# Altium PCB PCB5.PcbDoc
Units mm, origin at the board's own origin, x right, y up, seen from the top; angles counter-clockwise.
Board outline 116.2 x 53.09 mm, 2 copper layers (Top Layer, Bottom Layer); 99 components, 59 nets, 316 pads, 394 vias.
Unrouted connection lines stored in the file: 1.
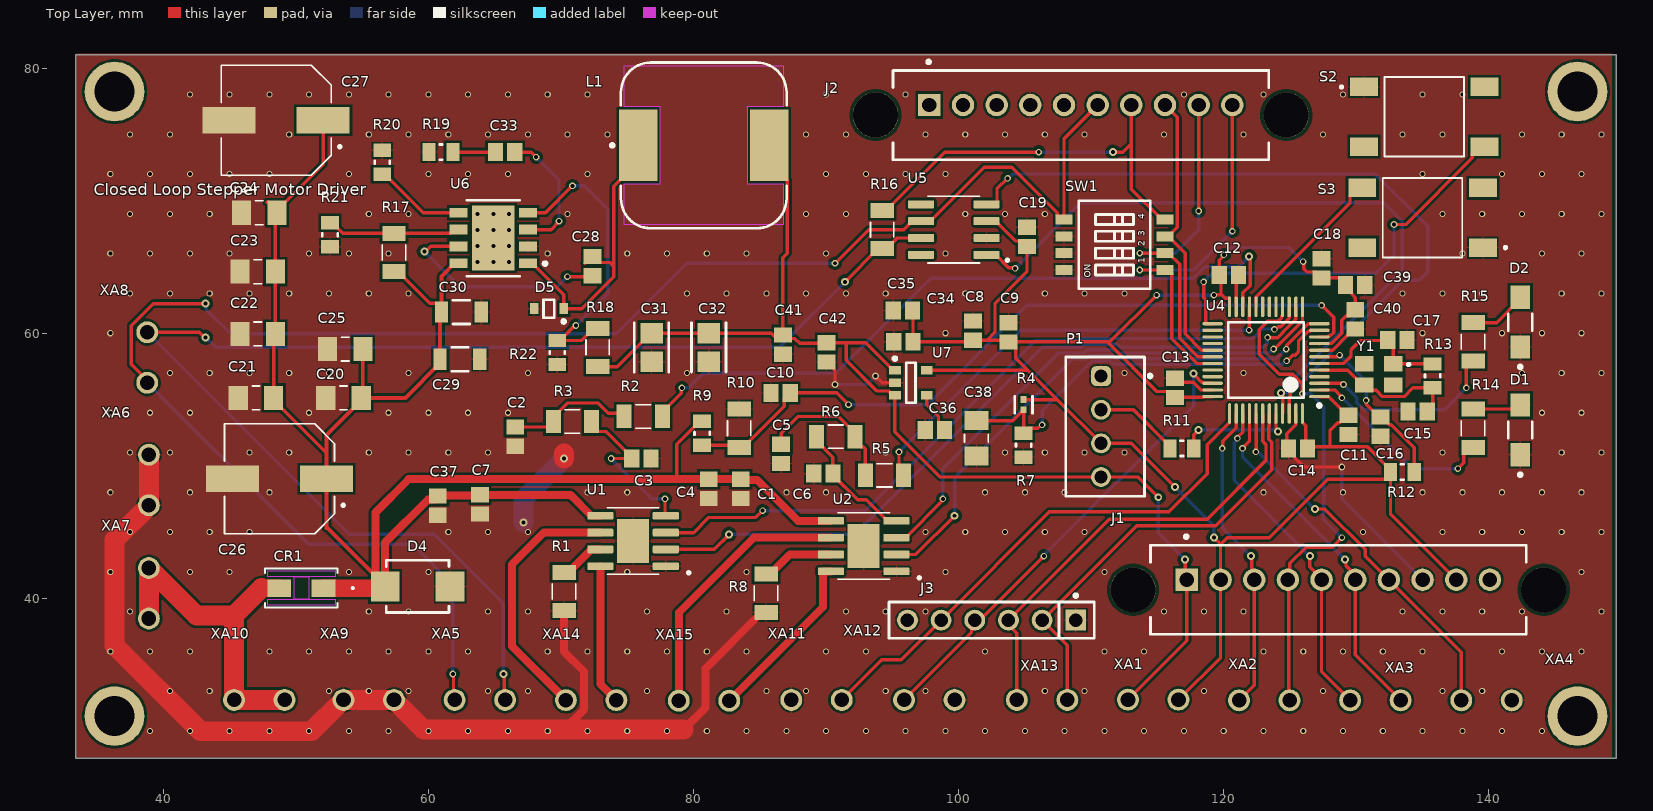
[diagram p0: Top Layer view]
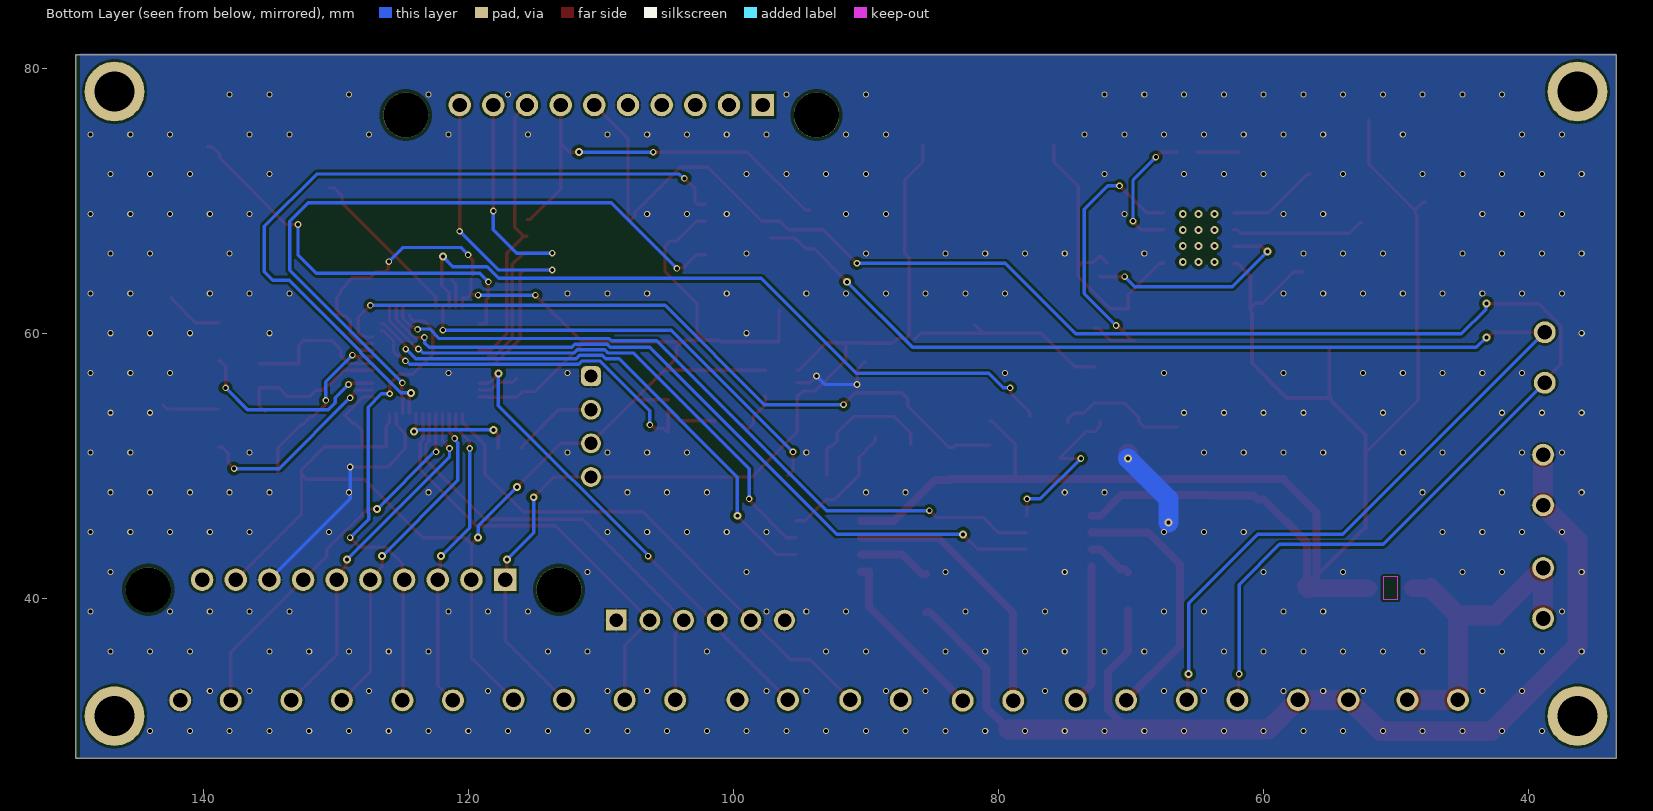
[diagram p1: Bottom Layer view, seen from below]

## Layer stack, top to bottom
Top Solder: solder mask 0.0102, Solder Resist, Dk 3.5
Top Layer: signal copper 0.0356
Dielectric 1: dielectric 0.32, FR-4, Dk 4.8
Bottom Layer: signal copper 0.0356
Bottom Solder: solder mask 0.0102, Solder Resist, Dk 3.5

## Board outline
33.401,27.94 33.401,81.026 149.606,81.026 149.606,27.94

## Design rules (kind name [scope] priority, off if disabled: settings)
BoardOutlineClearance [All] p1: gap=0.2 ignorepadtopadclearanceinfootprint=FALSE
Clearance [All] p1: gap=0.254 ignorepadtopadclearanceinfootprint=FALSE except(0.15: SMDPad-SMDPad; 0.17: Arc-Arc Arc-Track Arc-SMDPad Track-Track Track-SMDPad; 0.18: Arc-Fill Arc-Poly Arc-Region Track-Fill Track-Poly Track-Region SMDPad-Fill SMDPad-Poly SMDPad-Region THPad-Fill THPad-Poly THPad-Region Fill-Fill Fill-Poly Fill-Region Poly-Poly Poly-Region Region-Region; 0.25: Arc-Hole Track-Hole SMDPad-Hole THPad-Hole Via-Hole Fill-Hole Poly-Hole Region-Hole Text-Hole)
ComponentClearance [All] p1: gap=0.127 collisioncheckmode=3 verticalgap=0.127 showdistances=TRUE
DiffPairsRouting [All] p1: maxlimit=0.254 minlimit=0.127 mostfreqgap=0.127 toplayer_minwidth=0.127 toplayer_maxwidth=25.4 toplayer_prefwidth=0.127 bottomlayer_minwidth=0.127 bottomlayer_maxwidth=25.4 bottomlayer_prefwidth=0.127 maxuncoupledlength=12.7
Height [All] p1: minheight=0 maxheight=1816.048 prefheight=12.7
HoleSize [All] p1: absolutevalues=TRUE maxlimit=6.3 minlimit=0.3 maxpercent=80.000 minpercent=20.000
HoleToHoleClearance [All] p1: gap=0.25 allowstackedmicrovias=FALSE
MinimumAnnularRing [All] p1: minimumring=0.075
MinimumSolderMaskSliver [All] p1: minsoldermaskwidth=0.12
PlaneClearance [All] p1: clearance=0.127
PlaneConnect PlaneConnectPowerPads [InPadClass('PowerPads')] p1: planeconnectstyle=Direct reliefexpansion=0.508 reliefentries=4 reliefconductorwidth=0.254 reliefairgap=0.254
PlaneConnect [All] p2: pad.planeconnectstyle=Relief pad.reliefexpansion=0.3 pad.reliefentries=4 pad.reliefconductorwidth=0.127 pad.reliefairgap=0.127 via.planeconnectstyle=Direct via.reliefexpansion=0.3 via.reliefentries=4 via.reliefconductorwidth=0.127 via.reliefairgap=0.127
PolygonConnect PolygonConnectPowerPads [All vs (InPadClass('PowerPads'))] p1: connectstyle=Direct reliefconductorwidth=0.254 reliefentries=4 polygonreliefangle="90 Angle" airgapwidth=0.254
PolygonConnect [All] p2: thpad.connectstyle=Relief thpad.reliefconductorwidth=0.127 thpad.reliefentries=4 thpad.polygonreliefangle="90 Angle" thpad.airgapwidth=0.127 smdpad.connectstyle=Relief smdpad.reliefconductorwidth=0.127 smdpad.reliefentries=4 smdpad.polygonreliefangle="90 Angle" smdpad.airgapwidth=0.127 via.connectstyle=Direct via.reliefconductorwidth=0.127 via.reliefentries=4 via.polygonreliefangle="90 Angle" via.airgapwidth=0.127
RoutingVias [All] p1: holewidth=0.3 width=0.6 viastyle="Through Hole" minholewidth=0.3 minwidth=0.6 maxholewidth=0.6 maxwidth=6.6
SilkToSilkClearance [All] p1: silktosilkclearance=0.1
SilkToSolderMaskClearance [IsPad] p1: minsilkscreentomaskgap=0.1 clearancetoexposedcopper=TRUE
SolderMaskExpansion [All] p1: expansion=0.075 istentingtop=FALSE
Width [All] p1: maxlimit=1.5 minlimit=0.254 preferedwidth=0.6
20 further rules are at their usual default settings.

## Components (designator, comment, footprint, x,y, rotation, side; value= is the part's Value field where it differs from the comment)
C1 "0.1uF" CAPC2013X94X50LL20T25 83.566,48.26 r90 top value=0.1u
C2 "0.1uF" CAPC2013X94X50LL20T25 66.548,52.197 r90 top value=0.1u
C3 "0.1uF" CAPC2013X94X50LL20T25 76.073,50.546 r180 top value=0.1u
C4 "10uF" CAPC2013X94X50LL20T25 81.153,48.26 r90 top value=0.1u
C5 "0.1uF" CAPC2013X94X50LL20T25 86.614,50.89 r90 top value=0.1u
C6 "0.1uF" CAPC2013X94X50LL20T25 89.789,49.403 r0 top value=0.1u
C7 "0.1uF" CAPC2013X94X50LL20T25 63.881,47.08 r90 top value=0.1u
C8 "10uF" CAPC2013X94X50LL20T25 101.092,60.198 r270 top value=0.1u
C9 "0.1uF" CAPC2013X94X50LL20T25 103.759,60.071 r270 top value=0.1u
C10 "0.1uF" CAPC2013X94X50LL20T25 86.577,55.499 r0 top value=0.1u
C11 "10uF" CAPC2013X94X50LL20T25 129.413,53.086 r90 top value=0.1u
C12 "0.1uF" CAPC2013X94X50LL20T25 120.396,64.389 r180 top value=0.1u
C13 "0.1uF" CAPC2013X94X50LL20T25 116.332,55.88 r270 top value=0.1u
C14 "0.1uF" CAPC2013X94X50LL20T25 125.603,51.308 r0 top value=0.1u
C15 "08055A200JAT2A" CAPC2013X94X50LL20T25 134.62,54.102 r0 top
C16 "0.1uF" CAPC2013X94X50LL20T25 131.826,52.959 r90 top value=0.1u
C17 "08055A200JAT2A" CAPC2013X94X50LL20T25 133.096,59.498 r180 top
C18 "0.1uF" CAPC2013X94X50LL20T25 127.381,64.897 r270 top value=0.1u
C19 "0.1uF" CAPC2013X94X50LL20T25 105.156,67.273 r270 top value=0.1u
C20 "10uF/50V" CAPC3216X190N 53.594,55.118 r180 top
C21 "10uF/50V" CAPC3216X190N 46.99,55.118 r180 top
C22 "10uF/50V" CAPC3216X190N 47.117,59.944 r180 top locked
C23 "10uF/50V" CAPC3216X190N 47.117,64.643 r180 top
C24 "10uF/50V" CAPC3216X190N 47.244,69.088 r180 top
C25 "10uF/50V" CAPC3216X190N 53.721,58.801 r180 top
C26 "220uF/25V" CAP_EEEFK1V151AL 48.768,49.022 r180 top value=150uF/35V
C27 "220uF/25V" CAP_EEEFK1V151AL 48.514,76.073 r180 top value=150uF/35V
C28 "0.1uF" CAPC2013X94X50LL20T25 72.39,65.061 r270 top value=0.1u
C29 "12061Z475KAT2A" FP-1206-L_3_2_0_2-W_1_6_0-MFG 62.381,58.039 r180 top
C30 "12061Z475KAT2A" FP-1206-L_3_2_0_2-W_1_6_0-MFG 62.484,61.595 r180 top
C31 "C3216X6S0J476M160AB" FP-C3216-160-0_2-IPC_C 76.835,58.928 r270 top
C32 "C3216X6S0J476M160AB" FP-C3216-160-0_2-IPC_C 81.153,58.928 r270 top
C33 "0.1uF" CAPC2013X94X50LL20T25 65.786,73.66 r0 top value=0.1u
C34 "0.1uF" CAPC2013X94X50LL20T25 95.835,59.357 r0 top value=0.1u
C35 "10uF" CAPC2013X94X50LL20T25 95.795,61.722 r0 top value=0.1u
C36 "0.1uF" CAPC2013X94X50LL20T25 98.208,52.705 r0 top value=0.1u
C37 "10uF" CAPC2013X94X50LL20T25 60.706,46.99 r90 top value=0.1u
C38 "100uF" CAPC3216X190N 101.346,52.07 r90 top
C39 "0.1uF" CAPC2013X94X50LL20T25 129.921,63.627 r180 top value=0.1u
C40 "1uF" CAPC2013X94X50LL20T25 129.921,61.05 r90 top value=1u
C41 "10uF" CAPC2013X94X50LL20T25 86.741,59.146 r90 top value=0.1u
C42 "0.1uF" CAPC2013X94X50LL20T25 90.043,58.547 r90 top value=0.1u
CR1 "SS54-HF" SDO_DO-214AC_CIP 50.419,40.767 r180 top
D1 "APTD3216CGCK" FP-APTD3216CGCK-MFG 142.367,52.705 r90 top
D2 "APTD3216CGCK" FP-APTD3216CGCK-MFG 142.367,60.833 r90 top
D4 "SMBJ28CA" FP-SMBJ-CA-MFG 59.182,40.894 r180 top
D5 "BAT54HT1G" ONSC-SOD-323-2-477-02_V 69.088,61.849 r180 top
J1 "70541-0009" FP-70541-0009-MFG 128.651,40.642 r180 top
J2 "70541-0009" FP-70541-0009-MFG 109.22,76.456 r180 top
J3 "22-28-4063" FP-22-28-4063-MFG 102.489,38.354 r180 top
L1 "7447709330" WE-PD_1210 80.772,74.168 r270 top
P1 "61900411121" 61900411121 111.044,52.959 r90 top
R1 "0.1R" RESC3116X65N 70.231,40.513 r270 top value=22R
R2 "1K" RESC3116X65N 76.2,53.721 r180 top value=22R
R3 "1K" RESC3116X65N 70.866,53.34 r0 top value=22R
R4 "NCP15XH103F03RC" FP-NCP15-NCU15-0_05-IPC_C 104.902,54.61 r90 top
R5 "1K" RESC3116X65N 94.409,49.276 r180 top value=22R
R6 "1K" RESC3116X65N 90.726,52.197 r180 top value=22R
R7 "3.3K" RESC2013X60X35NL10T20 104.902,51.551 r90 top value=22R
R8 "0.1R" RESC3116X65N 85.471,40.386 r270 top value=22R
R9 "RC0805FR-0710KL" RESC2013X60X35NL10T20 80.645,52.451 r270 top
R10 "1K" RESC3116X65N 83.439,52.832 r90 top value=22R
R11 "RC0805FR-0710KL" RESC2013X60X35NL10T20 116.84,51.308 r180 top
R12 "RC0805FR-0710KL" RESC2013X60X35NL10T20 133.477,49.53 r180 top
R13 "1M" RESC2013X60X35NL10T20 135.763,56.78 r270 top value=22R
R14 "1K" RESC3116X65N 138.811,52.832 r90 top value=22R
R15 "1K" RESC3116X65N 138.811,59.357 r90 top value=22R
R16 "120R" RESC3116X65N 94.234,67.818 r90 top value=22R
R17 "TNPW1206110KBEEA (2)" RESC3116X65N 57.404,66.088 r270 top
R18 "MCA12060D8001BP500" RESC3116X65N 72.771,58.928 r270 top
R19 "TNPW12063K00BEEA" RESC2013X60X35NL10T20 60.949,73.66 r0 top
R20 "RC0805FR-0747KL" RESC2013X60X35NL10T20 56.515,72.898 r270 top
R21 "" RESC2013X60X35NL10T20 52.578,67.426 r90 top value=27k
R22 "RC0805FR-0710KL" RESC2013X60X35NL10T20 69.723,58.547 r90 top
S2 "TS04-66-55-BK-100-SMT" SW_TS04-66-55-BK-100-SMT 135.128,76.327 r0 top
S3 "TS04-66-55-BK-100-SMT" SW_TS04-66-55-BK-100-SMT 135.001,68.707 r180 top
SW1 "DSHP04TSGER" DSHP04TSGER 111.76,66.675 r90 top
U1 "TB67H450FNG" SOIC127P599X175-9N 75.438,44.323 r180 top
U2 "TB67H450FNG" SOIC127P599X175-9N 92.837,43.942 r180 top
U4 "STM32F103CBT6" STM-LQFP48_L 123.19,57.968 r180 top
U5 "SN65HVD232D" SOIC127P599X175-8N 99.638,67.818 r180 top
U6 "BD9G341AEFJ-E2" FP-HTSOP-J8-MFG 64.897,67.183 r180 top
U7 "LP2992AIM5-3.3/NOPB" MF05A_L 96.393,56.261 r0 top
XA1 "MKDS1/2-3.81" "PHOENIX_MKDS1/2-3.81 - duplicate" 114.68,32.303 r180 top
XA2 "MKDS1/2-3.81" "PHOENIX_MKDS1/2-3.81 - duplicate" 123.063,32.353 r0 top
XA3 "MKDS1/2-3.81" "PHOENIX_MKDS1/2-3.81 - duplicate" 131.445,32.353 r0 top
XA4 "MKDS1/2-3.81" "PHOENIX_MKDS1/2-3.81 - duplicate" 139.827,32.353 r0 top
XA5 "MKDS1/2-3.81" "PHOENIX_MKDS1/2-3.81 - duplicate" 63.881,32.385 r0 top
XA6 "MKDS1/2-3.81" "PHOENIX_MKDS1/2-3.81 - duplicate" 38.862,48.93 r90 top
XA7 "MKDS1/2-3.81" "PHOENIX_MKDS1/2-3.81 - duplicate" 38.862,40.381 r90 top
XA8 "MKDS1/2-3.81" "PHOENIX_MKDS1/2-3.81 - duplicate" 38.735,58.166 r90 top
XA9 "MKDS1/2-3.81" "PHOENIX_MKDS1/2-3.81 - duplicate" 55.499,32.385 r0 top
XA10 "MKDS1/2-3.81" "PHOENIX_MKDS1/2-3.81 - duplicate" 47.244,32.385 r0 top
XA11 "MKDS1/2-3.81" "PHOENIX_MKDS1/2-3.81 - duplicate" 89.281,32.385 r0 top
XA12 "MKDS1/2-3.81" "PHOENIX_MKDS1/2-3.81 - duplicate" 97.79,32.385 r0 top
XA13 "MKDS1/2-3.81" "PHOENIX_MKDS1/2-3.81 - duplicate" 106.299,32.385 r0 top
XA14 "MKDS1/2-3.81" "PHOENIX_MKDS1/2-3.81 - duplicate" 72.278,32.369 r0 top
XA15 "MKDS1/2-3.81" "PHOENIX_MKDS1/2-3.81 - duplicate" 80.796,32.327 r0 top
Y1 "830069944" WE-XTAL_CFPX-180 131.699,56.896 r180 top

## Footprints (in the part's own frame and the unit in brackets; to place one, negate y for a bottom-side part, rotate by r counter-clockwise, add the part's x,y. Pads: shape width x height; smd on the part's side, far side on the other; paste and mask are expansions set on the pad)
61900411121 [mm] "2.54mm Male Locking Header, 4p"
  rrect50% 1.5x1.5 hole 1: 1(3.81,0.3)
  round 1.5 hole 1: 2(1.27,0.3) 3(-1.27,0.3) 4(-3.81,0.3)
  silkscreen extent -5.25,-3.52 5.25,2.98, body extent -5.08,-2.9 5.08,2.9, height 11.53
CAP_EEEFK1V151AL [mm]
  rect 4x2 smd: 1(-3.55,0) 2(3.55,0)
  silkscreen extent -4.9,-4.15 4.15,4.15, body extent -4.85,-4.15 4.85,4.15, height 10.2
CAPC2013X94X50LL20T25 [mm] "Chip Capacitor, 2-Leads, Body 2.01x1.25mm, IPC High Density"
  rect 1.15x1.35 smd: 1(-0.725,0) 2(0.725,0)
  body extent -1.1,-0.72 1.1,0.72, height 0.94
CAPC3216X190N [mm]
  rect 1.44x1.82 smd: 1(-1.336,0) 2(1.336,0)
  silkscreen extent -0.29,-0.9 0.29,0.9, body extent -1.6,-0.8 1.6,0.8, height 1.9
DSHP04TSGER [mm]
  rect 0.76x1.27 smd: 1P1(-1.905,-3.81) 1P2(-1.905,3.81) 2P1(-0.635,-3.81) 2P2(-0.635,3.81) 3P1(0.635,-3.81) 3P2(0.635,3.81) 4P1(1.905,-3.81) 4P2(1.905,3.81)
  silkscreen extent -3.33,-2.7 3.33,2.7
FP-22-28-4063-MFG [mm]
  rect 1.57x1.57 hole 1.02 paste-2539.97 mask+0: 1(-6.35,0)
  round 1.57 hole 1.02 paste-2539.97 mask+0: 2(-3.81,0) 3(-1.27,0) 4(1.27,0) 5(3.81,0) 6(6.35,0)
  silkscreen extent -7.75,-1.97 7.75,1.37, body extent -7.85,-1.47 7.85,1.47, height 0.25
FP-1206-L_3_2_0_2-W_1_6_0-MFG [mm]
  rect 1x1.6 smd paste+0 mask+0: 1(-1.5,0) 2(1.5,0)
  silkscreen extent -0.63,-0.9 0.63,0.9, body extent -2.1,-1 2.1,1, height 0.25
FP-70541-0009-MFG [mm]
  rect 1.69x1.69 hole 1.09 paste-2539.97 mask+0: 1(11.43,-0.76)
  round 1.69 hole 1.09 paste-2539.97 mask+0: 2(8.89,-0.76) 3(6.35,-0.76) 4(3.81,-0.76) 5(1.27,-0.76) 6(-1.27,-0.76) 7(-3.81,-0.76) 8(-6.35,-0.76) 9(-8.89,-0.76) 10(-11.43,-0.76)
  round 3.4 hole 3.4 unplated paste-2539.97 mask+0: ""(-15.49,0) ""(15.49,0)
  silkscreen extent -14.17,-4.13 14.17,3.36, body extent -17.29,-3.46 17.29,3.46, height 0.25
FP-APTD3216CGCK-MFG [mm]
  rect 1.75x1.5 smd paste+0 mask+0: 1(-1.875,0) 2(1.875,0)
  silkscreen extent -3.5,-0.9 0.63,0.9, body extent -2.85,-1 2.85,1, height 0.25
FP-C3216-160-0_2-IPC_C [mm]
  rect 1.554x1.706 smd paste+0 mask+0: 1(-1.076,0) 2(1.076,0)
  silkscreen extent -1.85,-1.3 1.85,1.3, body extent -1.95,-1 1.95,1, height 0.25
FP-HTSOP-J8-MFG [mm]
  rect 1.35x0.75 smd paste+0 mask+0: 1(-2.625,1.905) 2(-2.625,0.635) 3(-2.625,-0.635) 4(-2.625,-1.905) 5(2.625,-1.905) 6(2.625,-0.635) 7(2.625,0.635) 8(2.625,1.905)
  rect 3.2x4.9 smd paste+0 mask+0: 9(0,0)
  silkscreen extent -4.03,-2.85 2,2.88, body extent -3.4,-2.73 3.4,2.73, height 0.25
FP-NCP15-NCU15-0_05-IPC_C [mm]
  rect 0.515x0.472 smd paste+0 mask+0: 1(-0.379,0) 2(0.379,0)
  silkscreen extent -0.64,-0.67 0.64,0.67, body extent -0.74,-0.38 0.74,0.38, height 0.25
FP-SMBJ-CA-MFG [mm]
  rect 2.16x2.26 smd paste+0 mask+0: 1(-2.45,0) 2(2.45,0)
  silkscreen extent -2.37,-1.97 2.37,1.97, body extent -3.63,-2.07 3.63,2.07, height 0.25
MF05A_L [mm] "SOT23, 5-Leads, Body 2.9x1.6mm, Pitch 0.95mm, Lead Span 2.8mm, IPC High Density"
  rect 0.9x0.65 smd: 1(-1.2,0.95) 2(-1.2,0) 3(-1.2,-0.95) 4(1.2,-0.95) 5(1.2,0.95)
  silkscreen extent -1.32,-1.5 0.35,1.95, body extent -0.83,-1.49 0.83,1.5, height 1.19
ONSC-SOD-323-2-477-02_V [mm] "SOD, 2-Leads, Body 1.7x1.25mm"
  rect 0.63x0.83 smd: 1(-1.115,0) 2(1.115,0)
  silkscreen extent -1.24,-0.67 0.4,1.09, body extent -0.85,-0.63 0.85,0.63, height 1.06
"PHOENIX_MKDS1/2-3.81 - duplicate" [mm]
  round 1.65 hole 1.1: 1(-1.906,-0.05) 2(1.904,-0.05)
RESC2013X60X35NL10T20 [mm] "Chip Resistor, 2-Leads, Body 2.1x1.35mm, IPC Medium Density"
  rect 1x1.35 smd: 1(-0.9,0) 2(0.9,0)
  silkscreen extent -0.1,-0.58 0.1,0.58, body extent -1.05,-0.68 1.05,0.67, height 0.6
RESC3116X65N [mm]
  rect 1.13x1.77 smd: 1(-1.445,0) 2(1.445,0)
  silkscreen extent -0.56,-0.88 0.56,0.88
SDO_DO-214AC_CIP [mm]
  rect 1.8x1.33 smd paste+0 mask+0: 1(-1.676,0)
  rect 1.8x1.34 smd paste+0 mask+0: 2(1.676,0)
  Top Layer keep-out region: -2.553,-1.295 -2.553,-0.851 2.553,-0.851 2.553,-1.295
  Top Layer keep-out region: -2.553,0.851 -2.553,1.295 2.553,1.295 2.553,0.851
  Top Layer keep-out region: -0.546,-0.851 -0.546,0.851 0.546,0.851 0.546,-0.851
  Keep-Out Layer region: -0.546,-0.851 -0.546,0.851 0.546,0.851 0.546,-0.851
  silkscreen extent -3.95,-1.47 2.73,1.47, body extent -2.6,-1.35 2.6,1.35, height 2.26
SOIC127P599X175-8N [mm]
  rrect25% 1.97x0.6 smd: 1(-2.47,1.905) 2(-2.47,0.635) 3(-2.47,-0.635) 4(-2.47,-1.905) 5(2.47,-1.905) 6(2.47,-0.635) 7(2.47,0.635) 8(2.47,1.905)
  silkscreen extent -4.14,-2.52 1.95,2.52, body extent -3,-2.45 3,2.45, height 1.75
SOIC127P599X175-9N [mm]
  rrect25% 1.97x0.58 smd: 1(-2.47,1.905) 2(-2.47,0.635) 3(-2.47,-0.635) 4(-2.47,-1.905) 5(2.47,-1.905) 6(2.47,-0.635) 7(2.47,0.635) 8(2.47,1.905)
  rect 2.413x3.302 smd paste-3: 9(0,0)
  silkscreen extent -4.3,-2.51 1.95,2.51, body extent -3,-2.45 3,2.45, height 1.75
STM-LQFP48_L [mm] "QFP, 48-Leads, Body 7x7mm, Pitch 0.5mm, IPC High Density"
  oval 1.55x0.25 smd mask+0.06: 1(-4.025,2.75) 2(-4.025,2.25) 3(-4.025,1.75) 4(-4.025,1.25) 5(-4.025,0.75) 6(-4.025,0.25) 7(-4.025,-0.25) 8(-4.025,-0.75) 9(-4.025,-1.25) 10(-4.025,-1.75) 11(-4.025,-2.25) 12(-4.025,-2.75) 25(4.025,-2.75) 26(4.025,-2.25) 27(4.025,-1.75) 28(4.025,-1.25) 29(4.025,-0.75) 30(4.025,-0.25) 31(4.025,0.25) 32(4.025,0.75) 33(4.025,1.25) 34(4.025,1.75) 35(4.025,2.25) 36(4.025,2.75)
  oval 0.25x1.55 smd mask+0.06: 13(-2.75,-4.025) 14(-2.25,-4.025) 15(-1.75,-4.025) 16(-1.25,-4.025) 17(-0.75,-4.025) 18(-0.25,-4.025) 19(0.25,-4.025) 20(0.75,-4.025) 21(1.25,-4.025) 22(1.75,-4.025) 23(2.25,-4.025) 24(2.75,-4.025) 37(2.75,4.025) 38(2.25,4.025) 39(1.75,4.025) 40(1.25,4.025) 41(0.75,4.025) 42(0.25,4.025) 43(-0.25,4.025) 44(-0.75,4.025) 45(-1.25,4.025) 46(-1.75,4.025) 47(-2.25,4.025) 48(-2.75,4.025)
  silkscreen extent -4.15,-2.85 2.85,3.55, body extent -3.5,-3.5 3.5,3.5, height 1.6
SW_TS04-66-55-BK-100-SMT [mm]
  rect 2.1x1.4 smd: 1(-4.55,2.25) 2(-4.55,-2.25) 3(4.55,2.25) 4(4.55,-2.25)
  silkscreen extent -6.35,-3 3,3
WE-PD_1210 [mm] "SMT Shielded Power Inductor, 2-leads, body 12x12mm"
  rect 5.4x2.9 smd: 1(0,-4.95) 2(0,4.95)
  Top Layer keep-out region: -6,6 -2.9,6 -2.9,3.3 2.9,3.3 2.9,6 6,6 6,-6 2.9,-6 2.9,-3.3 -2.9,-3.3 -2.9,-6 -6,-6
  silkscreen extent -6.25,-7.02 6.25,6.25, body extent -6,-6 6,6, height 9.46
WE-XTAL_CFPX-180 [mm] "Quartz Crystal, size CFPX-180, body 3.4x2.7mm"
  rect 1.4x1.15 smd: 1(-1.1,-0.8) 2(1.1,-0.8) 3(1.1,0.8) 4(-1.1,0.8)
  silkscreen extent -2.35,-0.85 -2.15,-0.65, body extent -1.7,-1.35 1.7,1.35, height 0.65

## Part data
C1 C2 C3 C4 C5 C6 C7 C8 C9 C10 C11 C12 C13 C14 C16 C18 C19 C28 C33 C34 C35 C36 C37 C38 C39 C40 C41 C42: library part 电容-0402, "Capacitor"
C15 C17: library part CMP-2007-04294-1, Manufacturer="AVX Interconnect / Elco", Resistance=20pF, Part Number=08055A200JAT2A
C20 C21 C22 C23 C24 C25 C26 C27: library part CAP, "Capacitor, chip, ceramic", Parameters="E22 CAP", PN=RVT1E221M0607, Price=0.038
C29 C30: library part CMP-2000-05019-2, "CAP CER 4.7UF 100V X7S 1206", Capacitance=4.7uF, Case Code (Imperial)=1206, Case Code (Metric)=3216, Dielectric=X7S, Max Operating Temperature=125°C, Min Operating Temperature=-55°C, Package Quantity=1, Tolerance=10%, Voltage Rating=100V, Case/Package=1206, Depth=1.6mm, Height=0.5mm, Lead Free="Lead Free", Length=3.2mm, Mount="Surface Mount", Packaging="Tape and Reel", REACH SVHC="No SVHC", RoHS Compliant=Yes, Termination=SMD/SMT, Thickness=0.075inch, Voltage Rating (DC)=100V, Weight=0.000571oz, Width=0.063inch
C31 C32: library part CMP-08246-006559-1, "Multilayer Ceramic Capacitors 47uF ±20% 6.3V X6S SMD 1206", Capacitance=47uF, Case Code (Imperial)=1206, Case Code (Metric)=3216, Dielectric=X6S, Dielectric Material=Ceramic, Insulation Resistance=10GR, Max Operating Temperature=105°C, Min Operating Temperature=-55°C, Package Quantity=1, Tolerance=20%, Voltage Rating=6.3V, Case/Package=1206, Construction=Flat, Depth=1.6mm, Dissipation Factor=10%, Height=1.6mm, Lead Free="Lead Free", Length=3.2mm, Mount="Surface Mount", Packaging="Tape and Reel", Radiation Hardening=No, REACH SVHC="No SVHC", Resistor Type=Ceramic, RoHS Compliant=Yes, Series=C, Termination=SMD/SMT, Thickness=0.071inch, Voltage Rating (DC)=6.3V, Weight=0.000571oz, Width=0.063inch
CR1: "No Description Available", Mfr_Name=Comchip, Type="Diodes - Rectifiers, Single"
D1 D2: library part CMP-2000-05792-2, "LED GREEN CLEAR 2SMD", Case Code (Imperial)=1206, Case Code (Metric)=3216, Color=Green, Forward Current=20mA, Forward Voltage=2.1V, Lens Color=Clear, Max Operating Temperature=85°C, Min Operating Temperature=-40°C, Package Quantity=2000, Case/Package=1206, Dominant Wavelength=570nm, Height=1.8mm, Illumination Color=Green, Lead Free="Lead Free", Length=3.2mm, Lens Style=Clear, Luminous Intensity=300mcd, Mount="Surface Mount", Number of LEDs=1, Number of Pins=2, Packaging="Tape and Reel", Test Current=20mA, Viewing Angle=50°, Width=1.6mm
D4: library part CMP-08607-000057-1, "TVS DIODE 28V 45.4V DO214AA", Breakdown Voltage=31.1V, Clamping Voltage=45.4V, Manufacturer="Littelfuse Inc", Max Junction Temp=+150°C, Package=SMBJ-CA, Peak Pulse Current=13.3A, Peak Pulse Power=600W, Reverse Standoff Voltage=28V, Temperature="-65°C to +150°C", Temperature Range Low=-65°C, Automotive=No, Category=Diode, ComponentLink2Description=Datasheet, ComponentLink2URL=https://www.littelfuse.com/~/media/electronics/datasheets/tvs_diodes/littelfuse_tvs_diode_smbj_datasheet.pdf.pdf, Device Class L1="Circuit Protection", Device Class L2="TVS Diodes", Device Class L3=unset, Digikey Description="TVS DIODE 28V 45.4V DO214AA", Direction=Bidirectional, Height=2.61mm, Lead Free=Yes, Manufacturer Part Number=SMBJ28CA, Mouser Description="In a Pack of 10, Littelfuse SMBJ28CA, Bi-Directional TVS Diode, 600W, 2-Pin DO-214AA", Number Of Channels=1, Octopart=https://octopart.com/smbj28ca-littelfuse-350757, RoHS=TRUE, Temperature Range High=+150°C
D5: library part CMP-1055-00462-1, "Schottky Barrier Diode, 2-Pin SOD-323, Pb-Free, Tape and Reel", Manufacturer="On Semiconductor", ComponentLink1Description="Manufacturer URL", ComponentLink1URL=http://www.onsemi.com/, ComponentLink2Description=Datasheet, ComponentLink2URL=http://www.onsemi.cn/pub_link/Collateral/BAT54HT1-D.PDF, ComponentLink3Description="Package Specification", ComponentLink3URL=http://www.onsemi.com/pub_link/Collateral/477-02.PDF.1, Configuration=Single, DatasheetVersion="Rev. 6", IFSM Max (A)=0.6, Mounting Technology="Surface Mount", PackageDescription="2-Pin SOD, Body 1.7 x 1.25 mm", PackageReference=SOD-323-2-477-02, PackageVersion="Rev. H, 03/2007", Packing="Tape and Reel", PartNumber=BAT54HT1G, RoHS=TRUE, trr Max (ns)=5
J1 J2: library part CMP-04776-001054-1, "CONN HEADER VERT 10POS 2.54MM", Contact Resistance=15mR, Current Rating=3A, Flammability Rating="UL94 V-0", Max Operating Temperature=105°C, Min Operating Temperature=-40°C, Package Quantity=768, Voltage Rating=250V, Contact Gender=Male, Contact Material=Bronze, Contact Mating Length=6.1mm, Contact Plating=Tin, Contact Post Length=3.3mm, ELV=Compliant, Glow Wire Compliant=Non-compliant, Housing Material=Polyester, Material=Brass, Mount="Through Hole", Number of Circuits=10, Number of Contacts=10, Number of Positions=10, Number of Rows=1, Orientation=Vertical, Packaging=Rail/Tube, Pitch=2.54mm, Series=70541, Termination="Through Hole"
J3: library part CMP-04776-000885-1, "CONN HEADER VERT 6POS 2.54MM", Color=Black, Contact Resistance=20mR, Current Rating=4A, Flammability Rating="UL94 V-0", Max Operating Temperature=75°C, Max Voltage Rating (AC)=250V, Max Voltage Rating (DC)=250.25kV, Min Operating Temperature=0°C, Package Quantity=1, Connector Type="Male Pin", Contact Material=Brass, Contact Mating Length=0.24inch, Contact Plating=Gold, Contact Type="Male Pin", Depth=2.49mm, Gender=Male, Glow Wire Compliant=Non-compliant, Housing Color=Black, Housing Material=Thermoplastic, Lead Free="Lead Free", Mount="Through Hole", Number of Circuits=6, Number of Contacts=6, Number of Positions=6, Number of Rows=1, Orientation=Straight, Packaging=Bulk, Pitch=2.54mm, Radiation Hardening=No, RoHS Compliant=Yes, Series="KK® 42375", Termination=Solder, Voltage Rating=250V, Voltage Rating (DC)=250V
L1: library part CMP-0227-00179-2, Ambient Temperature Range High=85°C, Ambient Temperature Range Low=-40°C, Current Rating=4.2A, DC Resistance (DCR)=37mΩ, Inductance=33µH, Inductance Tolerance=20%, Max Operating Temperature=125°C, Self Resonant Frequency=8.5MHz, Height=10mm, Length=12mm, Min Operating Temperature=-40°C, NexarPartId=22866921, Number of Pins=2, Packaging="Cut Tape (CT)", Resistance=37mΩ, RoHS=Compliant, Width=12mm
P1: library part CMP-1502-00586-2, Color=Beige, Contact Resistance=20mΩ, Current Rating=3A, Flammability Rating="UL94 V-0", Insulation Resistance=1GΩ, Max Operating Temperature=105°C, Min Operating Temperature=-40°C, Operating Supply Voltage=250V, Connector Type="Male Pin", Contact Gender=Male, Contact Material=Copper, Contact Mating Length=7.493mm, Contact Plating=Tin, Fastening Type=Friction, Gender=Male, Height=3.3mm, Housing Material=Nylon, Insulation=Insulated, Lead Free="Lead Free", Lead Pitch=2.54mm, Length=10.16mm, Mount="Through Hole", NexarPartId=18818226, Number of Contacts=4, Number of Pins=4, Number of Positions=4, Number of Rows=1, Orientation=Vertical, Packaging=Bulk, Pitch=2.54mm, REACH SVHC=Unknown, RoHS=Compliant, Termination="Through Hole", Voltage Rating=250V, Width=10.2mm
R1 R8 R21: library part 电阻-1206, "Resistor"
R2 R3 R5 R6 R7 R10 R13 R14 R15 R16: library part 电阻-0402, "Resistor"
R4: library part CMP-06022-000003-3, "NTC Thermistor for Temperature Sensor, 0402, 10kΩ, 1%, 0.1mA, 5V", Case Code (Imperial)=0402, Case Code (Metric)=1005, Current Rating=310uA, Max Operating Temperature=125°C, Max Power Dissipation=100mW, Min Operating Temperature=-40°C, Package Quantity=10000, Resistance=10kR, Resistance Tolerance=1%, Case/Package=0402, Depth=0.5mm, Height=0.5mm, Lead Free="Lead Free", Length=1mm, Mount="Surface Mount", Number of Pins=2, Packaging="Tape and Reel", Power Rating=100mW, Radiation Hardening=No, REACH SVHC="No SVHC", RoHS Compliant=Yes, Series=NCP, Termination=SMD/SMT, Tolerance=1%
R9 R11 R12 R22: library part CMP-1659-00013-4, "Chip Resistor, 10 KOhm, +/- 1%, 0.125 W, -55 to 155 degC, 0805 (2012 Metric), RoHS, Tape and Reel", Manufacturer=Yageo, Max Operating Temperature="155 degC", Min Operating Temperature="-55 degC", Package Quantity=5000, Voltage Rating="150 V", ComponentLink1Description="Manufacturer URL", ComponentLink1URL=http://www.yageo.com/, ComponentLink2Description=Datasheet, ComponentLink2URL=http://www.yageo.com/documents/recent/PYu-RC_Group_51_RoHS_L_04.pdf, DatasheetVersion="Rev. 4, 02/2016", Height="0.5 mm", Length="2 mm", Mount="Surface Mount", Mounting Technology="Surface Mount", PackageDescription="2-Pin Surface Mounted Device, Body 2 x 1.25 mm", PackageReference=0805, Packaging="Tape and Reel", Pins=2, REACH SVHC="No SVHC", REs=10k, RoHSCompliant=true
  R22: R=2k
R17: "Fixed Resistor, Thin Film, 0.25W, 110000ohm, 200V, 0.1% +/-Tol, 25ppm/Cel, Surface Mount, 1206", Manufacturer="Vishay Dale", Manufacturer Part Number=TNPW1206110KBEEA, Max Operating Temperature=125°C, Min Operating Temperature=-55°C, Package Height=0.55mm, Package Length=3.2mm, Package Style=SMTMeter, Package Width=1.6mm, Rated Power Dissipation (P)=250mW, Rated Temperature=70°C, Resistance=110kR, Resistor Type="FIXED RESISTOR", Temperature Coefficient=25ppm/°C, Tolerance=0.1%, Working Voltage=200V, Category="Chip SMD Resistors", ComponentLink1Description=https://datasheet.ciiva.com:443/pdfs/VipMasterIC/IC/VISH/VISH-S-A0002290253/VISH-S-A0002290253-1.pdf?src-supplier=IHS+Markit, ComponentLink1URL=https://datasheet.ciiva.com:443/pdfs/VipMasterIC/IC/VISH/VISH-S-A0002290253/VISH-S-A0002290253-1.pdf?src-supplier=IHS+Markit, ComponentLink2Description=https://datasheet.ciiva.com/2607/tnpw-e3-2607341.pdf?src-supplier=Digikey, ComponentLink2URL=https://datasheet.ciiva.com/2607/tnpw-e3-2607341.pdf?src-supplier=Digikey, ComponentLink3Description=https://datasheet.ciiva.com/8978/tnpw-e3-8978104.pdf?src-supplier=Avnet, ComponentLink3URL=https://datasheet.ciiva.com/8978/tnpw-e3-8978104.pdf?src-supplier=Avnet, Construction=Chip, Mount="Surface Mount", Number of Pins=2, Packaging="Tape and Reel", Pricing 1="1=0.64, 10=0.458, 50=0.351, 100=0.311, 1000=0.202, 10000=0.191 (USD)", Reach SVHC Compliant=Yes, Reference Standard=AEC-Q200, RoHS=Yes, RoHS Compliant=Yes, Size Code=1206, Stock 1=19950, Supplier 1=Mouser, Technology="THIN FILM", Terminal Finish=Nickel, Termination=Wraparound